# Altium PCB ir-24v-shit5-7.PcbDoc (part 5 of 6)
Units mm, origin at the board's own origin, x right, y up, seen from the top; angles counter-clockwise.
Board outline 326.8 x 258 mm, 2 copper layers (Top Layer, Bottom Layer); 1190 components, 31 nets, 3220 pads, 0 vias.
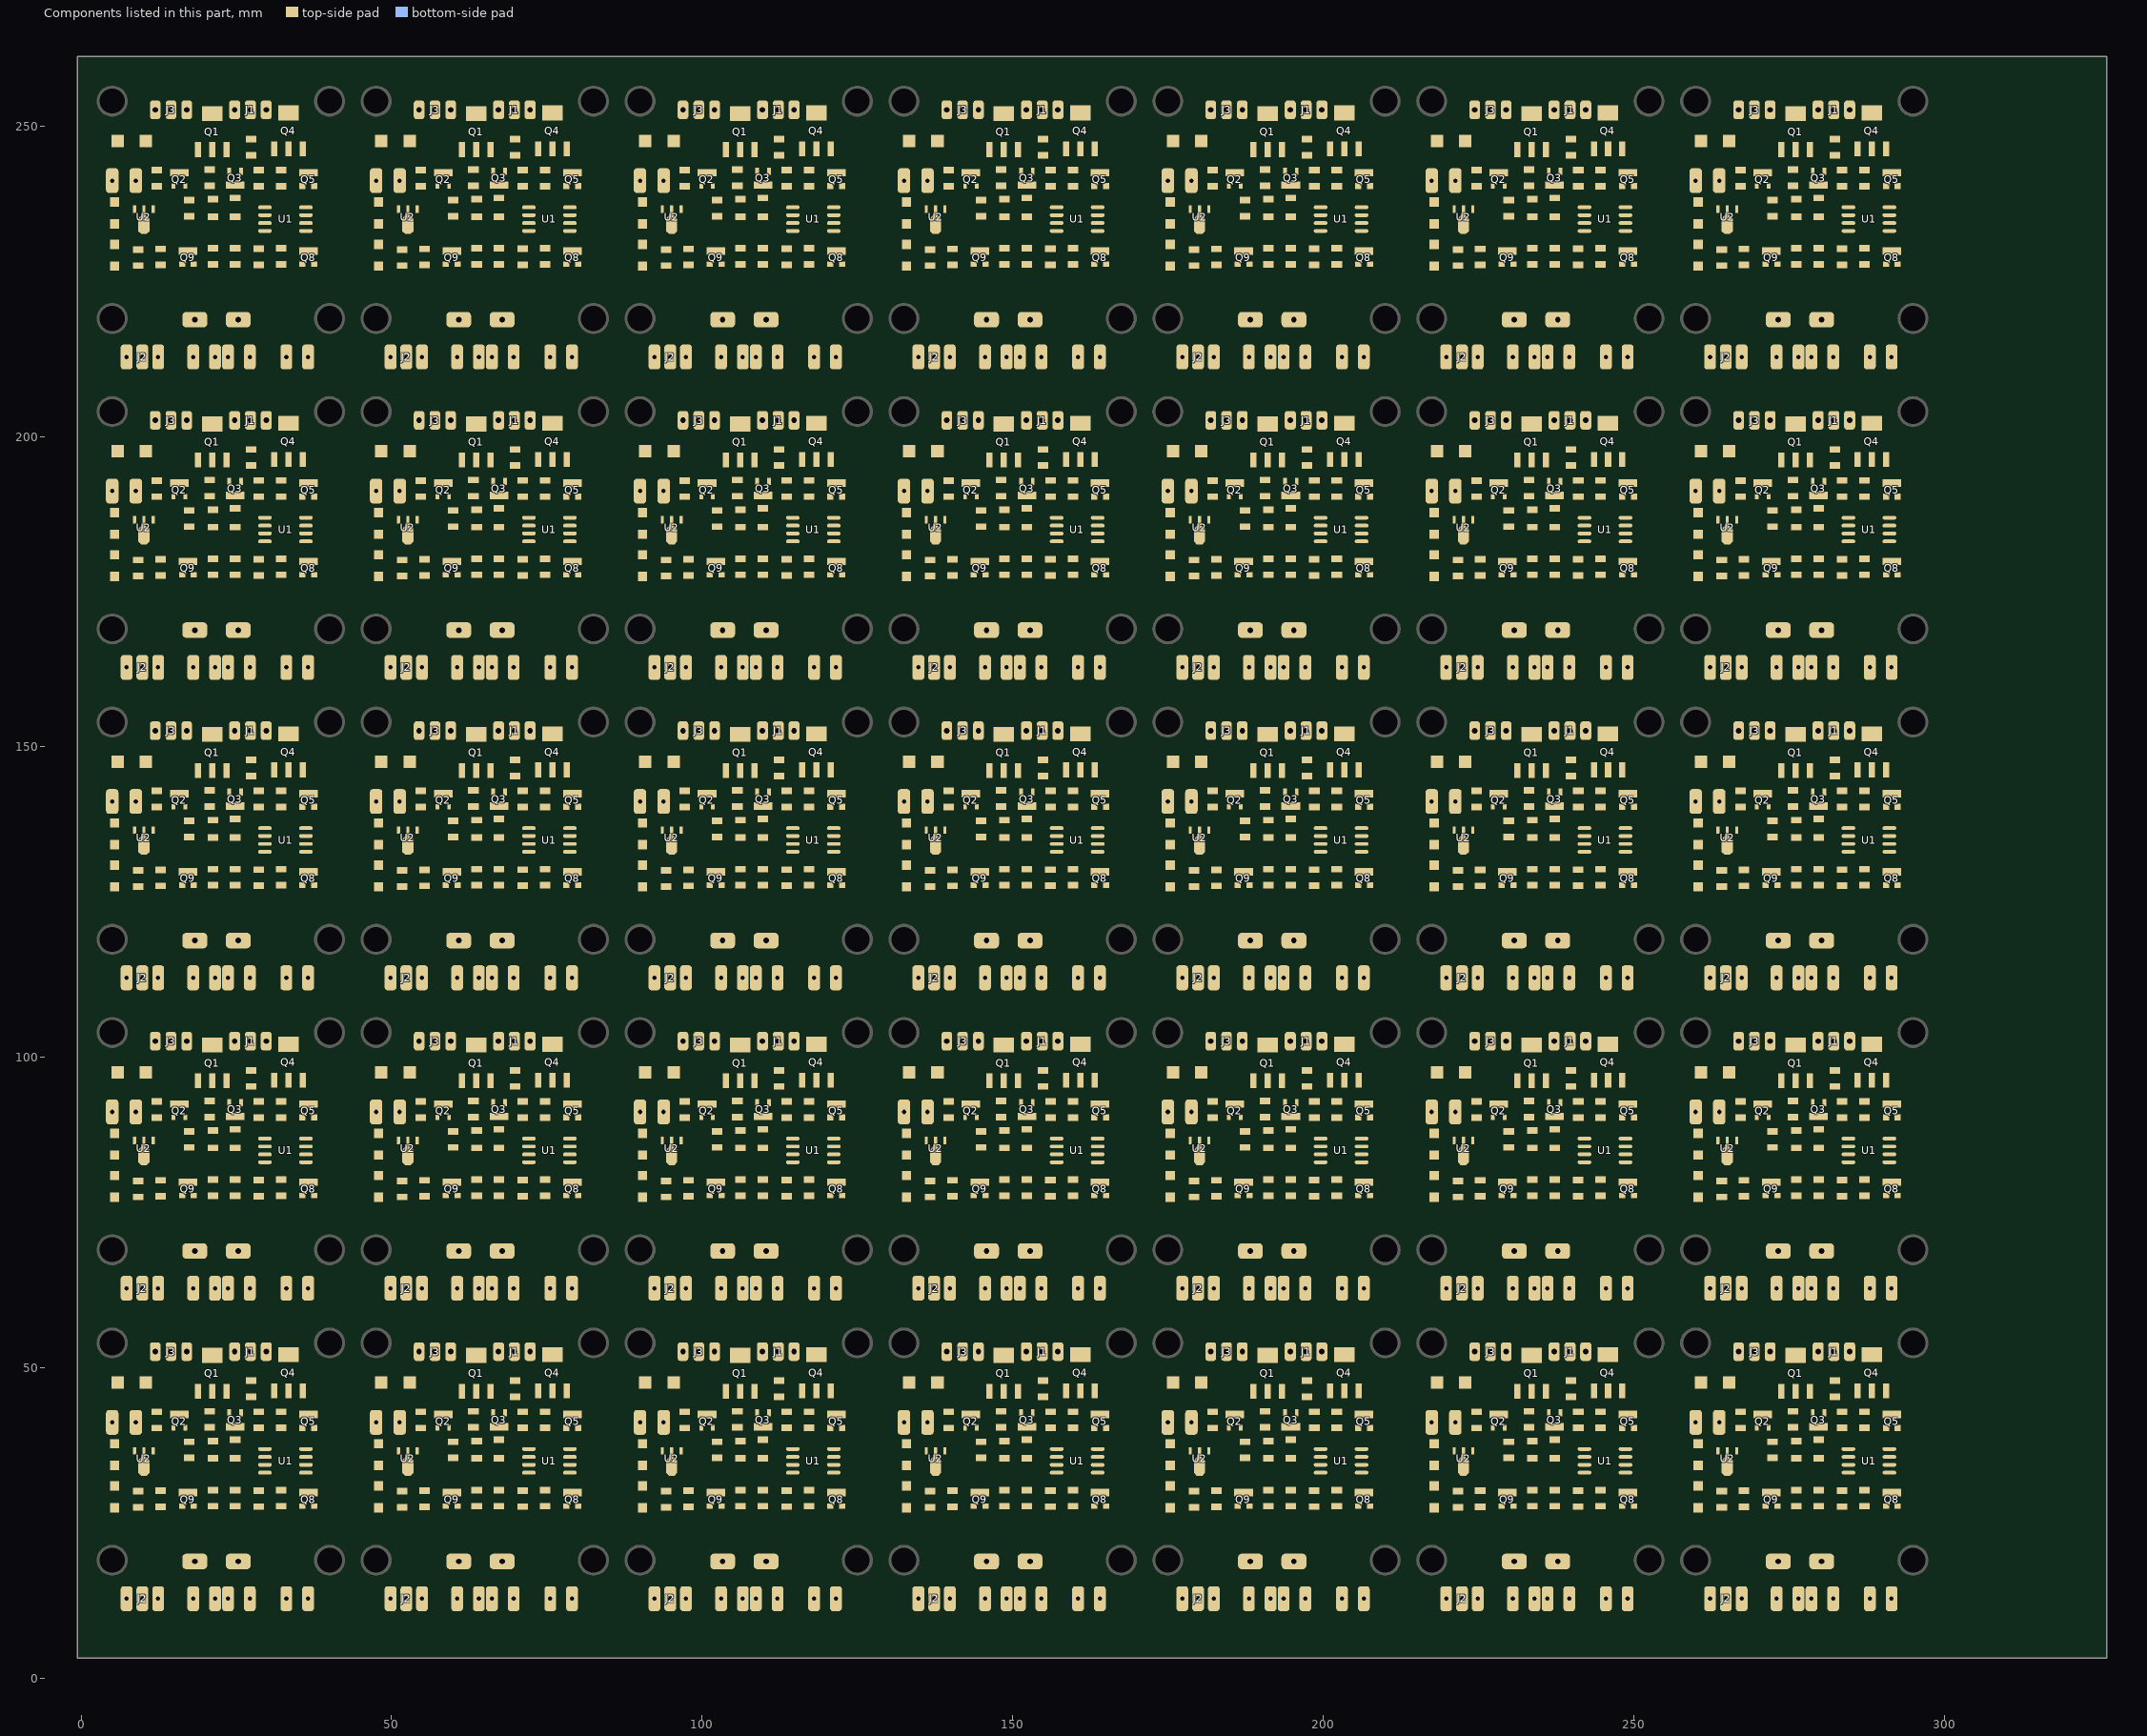
[diagram p5: the components of this part, seen from the top]

## Nets (pads, with @x,y where several pads share a name; then routed paths per layer and width w, separated by ;. In a path a pad name is that pad's centre, name@x,y a point inside that pad or via, vN(x,y) a via of type N, cw(c..) or ccw(c..) an arc to the next point about the centre after c; other vN are vias at no path point) (continued)
copper on no net: (continued)
  Top Layer w0.8: 5,37.792 5,41.2 5.4,41.6 5.4,47.15 5.65,47.4 ; 5,87.792 5,91.2 5.4,91.6 5.4,97.15 5.65,97.4 ; 5,137.792 5,141.2 5.4,141.6 5.4,147.15 5.65,147.4 ; 5,187.792 5,191.2 5.4,191.6 5.4,197.15 5.65,197.4 ; 5,237.792 5,241.2 5.4,241.6 5.4,247.15 5.65,247.4 ; 8.8,41.2 9.338,40.662 9.338,39.262 10.2,38.4 ; 8.8,91.2 9.338,90.662 9.338,89.262 10.2,88.4 ; 8.8,141.2 9.338,140.662 9.338,139.262 10.2,138.4 ; 8.8,191.2 9.338,190.662 9.338,189.262 10.2,188.4 ; 8.8,241.2 9.338,240.662 9.338,239.262 10.2,238.4 ; 9.2,41.2 9.365,41.365 9.365,42.765 10.35,43.75 10.35,43.752 10.819,44.22 10.82,44.22 14.4,47.8 14.4,52.007 ; 9.2,91.2 9.365,91.365 9.365,92.765 10.35,93.75 10.35,93.752 10.819,94.22 10.82,94.22 14.4,97.8 14.4,102.007 ; 9.2,141.2 9.365,141.365 9.365,142.765 10.35,143.75 10.35,143.752 10.819,144.22 10.82,144.22 14.4,147.8 14.4,152.007 ; 9.2,191.2 9.365,191.365 9.365,192.765 10.35,193.75 10.35,193.752 10.819,194.22 10.82,194.22 14.4,197.8 14.4,202.007 ; 9.2,241.2 9.365,241.365 9.365,242.765 10.35,243.75 10.35,243.752 10.819,244.22 10.82,244.22 14.4,247.8 14.4,252.007 ; 9.86,12 9.86,9.469 10.329,9 15.2,9 ; 9.86,62 9.86,59.469 10.329,59 15.2,59 ; 9.86,112 9.86,109.469 10.329,109 15.2,109 ; 9.86,162 9.86,159.469 10.329,159 15.2,159 ; 9.86,212 9.86,209.469 10.329,209 15.2,209 ; 10.1,34.8 10.1,36.4 10.1,38.257 16.888,38.257 ; 10.1,84.8 10.1,86.4 10.1,88.257 16.888,88.257 ; 10.1,134.8 10.1,136.4 10.1,138.257 16.888,138.257 ; 10.1,184.8 10.1,186.4 10.1,188.257 16.888,188.257 ; 10.1,234.8 10.1,236.4 10.1,238.257 16.888,238.257 ; 10.2,47.4 10.2,48 11.8,49.6 11.8,52.598 ; 10.2,97.4 10.2,98 11.8,99.6 11.8,102.598 ; 10.2,147.4 10.2,148 11.8,149.6 11.8,152.598 ; 10.2,197.4 10.2,198 11.8,199.6 11.8,202.598 ; 10.2,247.4 10.2,248 11.8,249.6 11.8,252.598 ; 16.2,18.4 15.792,18.4 15.2,17.808 15.2,9 ; 16.2,68.4 15.792,68.4 15.2,67.808 15.2,59 ; 16.2,118.4 15.792,118.4 15.2,117.808 15.2,109 ; 16.2,168.4 15.792,168.4 15.2,167.808 15.2,159 ; 16.2,218.4 15.792,218.4 15.2,217.808 15.2,209 ; 16.75,40.325 16.75,38.395 16.888,38.257 ; 16.75,90.325 16.75,88.395 16.888,88.257 ; 16.75,140.325 16.75,138.395 16.888,138.257 ; 16.75,190.325 16.75,188.395 16.888,188.257 ; 16.75,240.325 16.75,238.395 16.888,238.257 ; 19.8,38.07 17.4,38.07 17.075,38.07 16.888,38.257 ; 19.8,38.075 22.325,38.075 23.4,37 26.2,37 27.6,38.4 32.2,38.4 33.695,36.905 34.4,36.905 ; 19.8,88.07 17.4,88.07 17.075,88.07 16.888,88.257 ; 19.8,88.075 22.325,88.075 23.4,87 26.2,87 27.6,88.4 32.2,88.4 33.695,86.905 34.4,86.905 ; 19.8,138.07 17.4,138.07 17.075,138.07 16.888,138.257 ; 19.8,138.075 22.325,138.075 23.4,137 26.2,137 27.6,138.4 32.2,138.4 33.695,136.905 34.4,136.905 ; 19.8,188.07 17.4,188.07 17.075,188.07 16.888,188.257 ; 19.8,188.075 22.325,188.075 23.4,187 26.2,187 27.6,188.4 32.2,188.4 33.695,186.905 34.4,186.905 ; 19.8,238.07 17.4,238.07 17.075,238.07 16.888,238.257 ; 19.8,238.075 22.325,238.075 23.4,237 26.2,237 27.6,238.4 32.2,238.4 33.695,236.905 34.4,236.905 ; 19.95,52.55 24.57,52.55 24.72,52.4 ; 19.95,102.55 24.57,102.55 24.72,102.4 ; 19.95,152.55 24.57,152.55 24.72,152.4 ; 19.95,202.55 24.57,202.55 24.72,202.4 ; 19.95,252.55 24.57,252.55 24.72,252.4 ; 21.55,13.4 22.6,13.4 ; 21.55,63.4 22.6,63.4 ; 21.55,113.4 22.6,113.4 ; 21.55,163.4 22.6,163.4 ; 21.55,213.4 22.6,213.4 ; 23.65,13.4 22.6,13.4 ; 23.65,63.4 22.6,63.4 ; 23.65,113.4 22.6,113.4 ; 23.65,163.4 22.6,163.4 ; 23.65,213.4 22.6,213.4 ; 35.712,46.2 39.531,46.2 40,45.731 40,39.675 ; 35.712,96.2 39.531,96.2 40,95.731 40,89.675 ; 35.712,146.2 39.531,146.2 40,145.731 40,139.675 ; 35.712,196.2 39.531,196.2 40,195.731 40,189.675 ; 35.712,246.2 39.531,246.2 40,245.731 40,239.675 ; 35.8,36.905 34.4,36.905 ; 35.8,86.905 34.4,86.905 ; 35.8,136.905 34.4,136.905 ; 35.8,186.905 34.4,186.905 ; 35.8,236.905 34.4,236.905 ; 37.55,40.4 39.275,40.4 40,39.675 ; 37.55,90.4 39.275,90.4 40,89.675 ; 37.55,140.4 39.275,140.4 40,139.675 ; 37.55,190.4 39.275,190.4 40,189.675 ; 37.55,240.4 39.275,240.4 40,239.675 ; 47.5,37.792 47.5,41.2 47.9,41.6 47.9,47.15 48.15,47.4 ; 47.5,87.792 47.5,91.2 47.9,91.6 47.9,97.15 48.15,97.4 ; 47.5,137.792 47.5,141.2 47.9,141.6 47.9,147.15 48.15,147.4 ; 47.5,187.792 47.5,191.2 47.9,191.6 47.9,197.15 48.15,197.4 ; 47.5,237.792 47.5,241.2 47.9,241.6 47.9,247.15 48.15,247.4 ; 51.3,41.2 51.838,40.662 51.838,39.262 52.7,38.4 ; 51.3,91.2 51.838,90.662 51.838,89.262 52.7,88.4 ; 51.3,141.2 51.838,140.662 51.838,139.262 52.7,138.4 ; 51.3,191.2 51.838,190.662 51.838,189.262 52.7,188.4 ; 51.3,241.2 51.838,240.662 51.838,239.262 52.7,238.4 ; 51.7,41.2 51.865,41.365 51.865,42.765 52.85,43.75 52.85,43.752 53.319,44.22 53.32,44.22 56.9,47.8 56.9,52.007 ; 51.7,91.2 51.865,91.365 51.865,92.765 52.85,93.75 52.85,93.752 53.319,94.22 53.32,94.22 56.9,97.8 56.9,102.007 ; 51.7,141.2 51.865,141.365 51.865,142.765 52.85,143.75 52.85,143.752 53.319,144.22 53.32,144.22 56.9,147.8 56.9,152.007 ; 51.7,191.2 51.865,191.365 51.865,192.765 52.85,193.75 52.85,193.752 53.319,194.22 53.32,194.22 56.9,197.8 56.9,202.007 ; 51.7,241.2 51.865,241.365 51.865,242.765 52.85,243.75 52.85,243.752 53.319,244.22 53.32,244.22 56.9,247.8 56.9,252.007 ; 52.36,12 52.36,9.469 52.829,9 57.7,9 ; 52.36,62 52.36,59.469 52.829,59 57.7,59 ; 52.36,112 52.36,109.469 52.829,109 57.7,109 ; 52.36,162 52.36,159.469 52.829,159 57.7,159 ; 52.36,212 52.36,209.469 52.829,209 57.7,209 ; 52.6,34.8 52.6,36.4 52.6,38.257 59.388,38.257 ; 52.6,84.8 52.6,86.4 52.6,88.257 59.388,88.257 ; 52.6,134.8 52.6,136.4 52.6,138.257 59.388,138.257 ; 52.6,184.8 52.6,186.4 52.6,188.257 59.388,188.257 ; 52.6,234.8 52.6,236.4 52.6,238.257 59.388,238.257 ; 52.7,47.4 52.7,48 54.3,49.6 54.3,52.598 ; 52.7,97.4 52.7,98 54.3,99.6 54.3,102.598 ; 52.7,147.4 52.7,148 54.3,149.6 54.3,152.598 ; 52.7,197.4 52.7,198 54.3,199.6 54.3,202.598 ; 52.7,247.4 52.7,248 54.3,249.6 54.3,252.598 ; 58.7,18.4 58.292,18.4 57.7,17.808 57.7,9 ; 58.7,68.4 58.292,68.4 57.7,67.808 57.7,59 ; 58.7,118.4 58.292,118.4 57.7,117.808 57.7,109 ; 58.7,168.4 58.292,168.4 57.7,167.808 57.7,159 ; 58.7,218.4 58.292,218.4 57.7,217.808 57.7,209 ; 59.25,40.325 59.25,38.395 59.388,38.257 ; 59.25,90.325 59.25,88.395 59.388,88.257 ; 59.25,140.325 59.25,138.395 59.388,138.257 ; 59.25,190.325 59.25,188.395 59.388,188.257 ; 59.25,240.325 59.25,238.395 59.388,238.257 ; 62.3,38.07 59.9,38.07 59.575,38.07 59.388,38.257 ; 62.3,38.075 64.825,38.075 65.9,37 68.7,37 70.1,38.4 74.7,38.4 76.195,36.905 76.9,36.905 ; 62.3,88.07 59.9,88.07 59.575,88.07 59.388,88.257 ; 62.3,88.075 64.825,88.075 65.9,87 68.7,87 70.1,88.4 74.7,88.4 76.195,86.905 76.9,86.905 ; 62.3,138.07 59.9,138.07 59.575,138.07 59.388,138.257 ; 62.3,138.075 64.825,138.075 65.9,137 68.7,137 70.1,138.4 74.7,138.4 76.195,136.905 76.9,136.905 ; 62.3,188.07 59.9,188.07 59.575,188.07 59.388,188.257 ; 62.3,188.075 64.825,188.075 65.9,187 68.7,187 70.1,188.4 74.7,188.4 76.195,186.905 76.9,186.905 ; 62.3,238.07 59.9,238.07 59.575,238.07 59.388,238.257 ; 62.3,238.075 64.825,238.075 65.9,237 68.7,237 70.1,238.4 74.7,238.4 76.195,236.905 76.9,236.905 ; 62.45,52.55 67.07,52.55 67.22,52.4 ; 62.45,102.55 67.07,102.55 67.22,102.4 ; 62.45,152.55 67.07,152.55 67.22,152.4 ; 62.45,202.55 67.07,202.55 67.22,202.4 ; 62.45,252.55 67.07,252.55 67.22,252.4 ; 64.05,13.4 65.1,13.4 ; 64.05,63.4 65.1,63.4 ; 64.05,113.4 65.1,113.4 ; 64.05,163.4 65.1,163.4 ; 64.05,213.4 65.1,213.4 ; 66.15,13.4 65.1,13.4 ; 66.15,63.4 65.1,63.4 ; 66.15,113.4 65.1,113.4 ; 66.15,163.4 65.1,163.4 ; 66.15,213.4 65.1,213.4 ; 78.212,46.2 82.031,46.2 82.5,45.731 82.5,39.675 ; 78.212,96.2 82.031,96.2 82.5,95.731 82.5,89.675 ; 78.212,146.2 82.031,146.2 82.5,145.731 82.5,139.675 ; 78.212,196.2 82.031,196.2 82.5,195.731 82.5,189.675 ; 78.212,246.2 82.031,246.2 82.5,245.731 82.5,239.675 ; 78.3,36.905 76.9,36.905 ; 78.3,86.905 76.9,86.905 ; 78.3,136.905 76.9,136.905 ; 78.3,186.905 76.9,186.905 ; 78.3,236.905 76.9,236.905 ; 80.05,40.4 81.775,40.4 82.5,39.675 ; 80.05,90.4 81.775,90.4 82.5,89.675 ; 80.05,140.4 81.775,140.4 82.5,139.675 ; 80.05,190.4 81.775,190.4 82.5,189.675 ; 80.05,240.4 81.775,240.4 82.5,239.675 ; 90,37.792 90,41.2 90.4,41.6 90.4,47.15 90.65,47.4 ; 90,87.792 90,91.2 90.4,91.6 90.4,97.15 90.65,97.4 ; 90,137.792 90,141.2 90.4,141.6 90.4,147.15 90.65,147.4 ; 90,187.792 90,191.2 90.4,191.6 90.4,197.15 90.65,197.4 ; 90,237.792 90,241.2 90.4,241.6 90.4,247.15 90.65,247.4 ; 93.8,41.2 94.338,40.662 94.338,39.262 95.2,38.4 ; 93.8,91.2 94.338,90.662 94.338,89.262 95.2,88.4 ; 93.8,141.2 94.338,140.662 94.338,139.262 95.2,138.4 ; 93.8,191.2 94.338,190.662 94.338,189.262 95.2,188.4 ; 93.8,241.2 94.338,240.662 94.338,239.262 95.2,238.4 ; 94.2,41.2 94.365,41.365 94.365,42.765 95.35,43.75 95.35,43.752 95.819,44.22 95.82,44.22 99.4,47.8 99.4,52.007 ; 94.2,91.2 94.365,91.365 94.365,92.765 95.35,93.75 95.35,93.752 95.819,94.22 95.82,94.22 99.4,97.8 99.4,102.007 ; 94.2,141.2 94.365,141.365 94.365,142.765 95.35,143.75 95.35,143.752 95.819,144.22 95.82,144.22 99.4,147.8 99.4,152.007 ; 94.2,191.2 94.365,191.365 94.365,192.765 95.35,193.75 95.35,193.752 95.819,194.22 95.82,194.22 99.4,197.8 99.4,202.007 ; 94.2,241.2 94.365,241.365 94.365,242.765 95.35,243.75 95.35,243.752 95.819,244.22 95.82,244.22 99.4,247.8 99.4,252.007 ; 94.86,12 94.86,9.469 95.329,9 100.2,9 ; 94.86,62 94.86,59.469 95.329,59 100.2,59 ; 94.86,112 94.86,109.469 95.329,109 100.2,109 ; 94.86,162 94.86,159.469 95.329,159 100.2,159 ; 94.86,212 94.86,209.469 95.329,209 100.2,209 ; 95.1,34.8 95.1,36.4 95.1,38.257 101.888,38.257 ; 95.1,84.8 95.1,86.4 95.1,88.257 101.888,88.257 ; 95.1,134.8 95.1,136.4 95.1,138.257 101.888,138.257 ; 95.1,184.8 95.1,186.4 95.1,188.257 101.888,188.257 ; 95.1,234.8 95.1,236.4 95.1,238.257 101.888,238.257 ; 95.2,47.4 95.2,48 96.8,49.6 96.8,52.598 ; 95.2,97.4 95.2,98 96.8,99.6 96.8,102.598 ; 95.2,147.4 95.2,148 96.8,149.6 96.8,152.598 ; 95.2,197.4 95.2,198 96.8,199.6 96.8,202.598 ; 95.2,247.4 95.2,248 96.8,249.6 96.8,252.598 ; 101.2,18.4 100.792,18.4 100.2,17.808 100.2,9 ; 101.2,68.4 100.792,68.4 100.2,67.808 100.2,59 ; 101.2,118.4 100.792,118.4 100.2,117.808 100.2,109 ; 101.2,168.4 100.792,168.4 100.2,167.808 100.2,159 ; 101.2,218.4 100.792,218.4 100.2,217.808 100.2,209 ; 101.75,40.325 101.75,38.395 101.888,38.257 ; 101.75,90.325 101.75,88.395 101.888,88.257 ; 101.75,140.325 101.75,138.395 101.888,138.257 ; 101.75,190.325 101.75,188.395 101.888,188.257 ; 101.75,240.325 101.75,238.395 101.888,238.257 ; 104.8,38.07 102.4,38.07 102.075,38.07 101.888,38.257 ; 104.8,38.075 107.325,38.075 108.4,37 111.2,37 112.6,38.4 117.2,38.4 118.695,36.905 119.4,36.905 ; 104.8,88.07 102.4,88.07 102.075,88.07 101.888,88.257 ; 104.8,88.075 107.325,88.075 108.4,87 111.2,87 112.6,88.4 117.2,88.4 118.695,86.905 119.4,86.905 ; 104.8,138.07 102.4,138.07 102.075,138.07 101.888,138.257 ; 104.8,138.075 107.325,138.075 108.4,137 111.2,137 112.6,138.4 117.2,138.4 118.695,136.905 119.4,136.905 ; 104.8,188.07 102.4,188.07 102.075,188.07 101.888,188.257 ; 104.8,188.075 107.325,188.075 108.4,187 111.2,187 112.6,188.4 117.2,188.4 118.695,186.905 119.4,186.905 ; 104.8,238.07 102.4,238.07 102.075,238.07 101.888,238.257 ; 104.8,238.075 107.325,238.075 108.4,237 111.2,237 112.6,238.4 117.2,238.4 118.695,236.905 119.4,236.905 ; 104.95,52.55 109.57,52.55 109.72,52.4 ; 104.95,102.55 109.57,102.55 109.72,102.4 ; 104.95,152.55 109.57,152.55 109.72,152.4 ; 104.95,202.55 109.57,202.55 109.72,202.4 ; 104.95,252.55 109.57,252.55 109.72,252.4 ; 106.55,13.4 107.6,13.4 ; 106.55,63.4 107.6,63.4 ; 106.55,113.4 107.6,113.4 ; 106.55,163.4 107.6,163.4 ; 106.55,213.4 107.6,213.4 ; 108.65,13.4 107.6,13.4 ; 108.65,63.4 107.6,63.4 ; 108.65,113.4 107.6,113.4 ; 108.65,163.4 107.6,163.4 ; 108.65,213.4 107.6,213.4 ; 120.712,46.2 124.531,46.2 125,45.731 125,39.675 ; 120.712,96.2 124.531,96.2 125,95.731 125,89.675 ; 120.712,146.2 124.531,146.2 125,145.731 125,139.675 ; 120.712,196.2 124.531,196.2 125,195.731 125,189.675 ; 120.712,246.2 124.531,246.2 125,245.731 125,239.675 ; 120.8,36.905 119.4,36.905 ; 120.8,86.905 119.4,86.905 ; 120.8,136.905 119.4,136.905 ; 120.8,186.905 119.4,186.905 ; 120.8,236.905 119.4,236.905 ; 122.55,40.4 124.275,40.4 125,39.675 ; 122.55,90.4 124.275,90.4 125,89.675 ; 122.55,140.4 124.275,140.4 125,139.675 ; 122.55,190.4 124.275,190.4 125,189.675 ; 122.55,240.4 124.275,240.4 125,239.675 ; 132.5,37.792 132.5,41.2 132.9,41.6 132.9,47.15 133.15,47.4 ; 132.5,87.792 132.5,91.2 132.9,91.6 132.9,97.15 133.15,97.4 ; 132.5,137.792 132.5,141.2 132.9,141.6 132.9,147.15 133.15,147.4 ; 132.5,187.792 132.5,191.2 132.9,191.6 132.9,197.15 133.15,197.4 ; 132.5,237.792 132.5,241.2 132.9,241.6 132.9,247.15 133.15,247.4 ; 136.3,41.2 136.838,40.662 136.838,39.262 137.7,38.4 ; 136.3,91.2 136.838,90.662 136.838,89.262 137.7,88.4 ; 136.3,141.2 136.838,140.662 136.838,139.262 137.7,138.4 ; 136.3,191.2 136.838,190.662 136.838,189.262 137.7,188.4 ; 136.3,241.2 136.838,240.662 136.838,239.262 137.7,238.4 ; 136.7,41.2 136.865,41.365 136.865,42.765 137.85,43.75 137.85,43.752 138.319,44.22 138.32,44.22 141.9,47.8 141.9,52.007 ; 136.7,91.2 136.865,91.365 136.865,92.765 137.85,93.75 137.85,93.752 138.319,94.22 138.32,94.22 141.9,97.8 141.9,102.007 ; 136.7,141.2 136.865,141.365 136.865,142.765 137.85,143.75 137.85,143.752 138.319,144.22 138.32,144.22 141.9,147.8 141.9,152.007 ; 136.7,191.2 136.865,191.365 136.865,192.765 137.85,193.75 137.85,193.752 138.319,194.22 138.32,194.22 141.9,197.8 141.9,202.007 ; 136.7,241.2 136.865,241.365 136.865,242.765 137.85,243.75 137.85,243.752 138.319,244.22 138.32,244.22 141.9,247.8 141.9,252.007 ; 137.36,12 137.36,9.469 137.829,9 142.7,9 ; 137.36,62 137.36,59.469 137.829,59 142.7,59 ; 137.36,112 137.36,109.469 137.829,109 142.7,109 ; 137.36,162 137.36,159.469 137.829,159 142.7,159 ; 137.36,212 137.36,209.469 137.829,209 142.7,209 ; 137.6,34.8 137.6,36.4 137.6,38.257 144.388,38.257 ; 137.6,84.8 137.6,86.4 137.6,88.257 144.388,88.257 ; 137.6,134.8 137.6,136.4 137.6,138.257 144.388,138.257 ; 137.6,184.8 137.6,186.4 137.6,188.257 144.388,188.257 ; 137.6,234.8 137.6,236.4 137.6,238.257 144.388,238.257 ; 137.7,47.4 137.7,48 139.3,49.6 139.3,52.598 ; 137.7,97.4 137.7,98 139.3,99.6 139.3,102.598 ; 137.7,147.4 137.7,148 139.3,149.6 139.3,152.598 ; 137.7,197.4 137.7,198 139.3,199.6 139.3,202.598 ; 137.7,247.4 137.7,248 139.3,249.6 139.3,252.598 ; 143.7,18.4 143.292,18.4 142.7,17.808 142.7,9 ; 143.7,68.4 143.292,68.4 142.7,67.808 142.7,59 ; 143.7,118.4 143.292,118.4 142.7,117.808 142.7,109 ; 143.7,168.4 143.292,168.4 142.7,167.808 142.7,159 ; 143.7,218.4 143.292,218.4 142.7,217.808 142.7,209 ; 144.25,40.325 144.25,38.395 144.388,38.257 ; 144.25,90.325 144.25,88.395 144.388,88.257 ; 144.25,140.325 144.25,138.395 144.388,138.257 ; 144.25,190.325 144.25,188.395 144.388,188.257 ; 144.25,240.325 144.25,238.395 144.388,238.257 ; 147.3,38.07 144.9,38.07 144.575,38.07 144.388,38.257 ; 147.3,38.075 149.825,38.075 150.9,37 153.7,37 155.1,38.4 159.7,38.4 161.195,36.905 161.9,36.905 ; 147.3,88.07 144.9,88.07 144.575,88.07 144.388,88.257 ; 147.3,88.075 149.825,88.075 150.9,87 153.7,87 155.1,88.4 159.7,88.4 161.195,86.905 161.9,86.905 ; 147.3,138.07 144.9,138.07 144.575,138.07 144.388,138.257 ; 147.3,138.075 149.825,138.075 150.9,137 153.7,137 155.1,138.4 159.7,138.4 161.195,136.905 161.9,136.905 ; 147.3,188.07 144.9,188.07 144.575,188.07 144.388,188.257 ; 147.3,188.075 149.825,188.075 150.9,187 153.7,187 155.1,188.4 159.7,188.4 161.195,186.905 161.9,186.905 ; 147.3,238.07 144.9,238.07 144.575,238.07 144.388,238.257 ; 147.3,238.075 149.825,238.075 150.9,237 153.7,237 155.1,238.4 159.7,238.4 161.195,236.905 161.9,236.905 ; 147.45,52.55 152.07,52.55 152.22,52.4 ; 147.45,102.55 152.07,102.55 152.22,102.4 ; 147.45,152.55 152.07,152.55 152.22,152.4 ; 147.45,202.55 152.07,202.55 152.22,202.4 ; 147.45,252.55 152.07,252.55 152.22,252.4 ; 149.05,13.4 150.1,13.4 ; 149.05,63.4 150.1,63.4 ; 149.05,113.4 150.1,113.4 ; 149.05,163.4 150.1,163.4 ; 149.05,213.4 150.1,213.4 ; 151.15,13.4 150.1,13.4 ; 151.15,63.4 150.1,63.4 ; 151.15,113.4 150.1,113.4 ; 151.15,163.4 150.1,163.4 ; 151.15,213.4 150.1,213.4 ; 163.212,46.2 167.031,46.2 167.5,45.731 167.5,39.675 ; 163.212,96.2 167.031,96.2 167.5,95.731 167.5,89.675 ; 163.212,146.2 167.031,146.2 167.5,145.731 167.5,139.675 ; 163.212,196.2 167.031,196.2 167.5,195.731 167.5,189.675 ; 163.212,246.2 167.031,246.2 167.5,245.731 167.5,239.675 ; 163.3,36.905 161.9,36.905 ; 163.3,86.905 161.9,86.905 ; 163.3,136.905 161.9,136.905 ; 163.3,186.905 161.9,186.905 ; 163.3,236.905 161.9,236.905 ; 165.05,40.4 166.775,40.4 167.5,39.675 ; 165.05,90.4 166.775,90.4 167.5,89.675 ; 165.05,140.4 166.775,140.4 167.5,139.675 ; 165.05,190.4 166.775,190.4 167.5,189.675 ; 165.05,240.4 166.775,240.4 167.5,239.675 ; 175,37.792 175,41.2 175.4,41.6 175.4,47.15 175.65,47.4 ; 175,87.792 175,91.2 175.4,91.6 175.4,97.15 175.65,97.4 ; 175,137.792 175,141.2 175.4,141.6 175.4,147.15 175.65,147.4 ; 175,187.792 175,191.2 175.4,191.6 175.4,197.15 175.65,197.4 ; 175,237.792 175,241.2 175.4,241.6 175.4,247.15 175.65,247.4 ; 178.8,41.2 179.338,40.662 179.338,39.262 180.2,38.4 ; 178.8,91.2 179.338,90.662 179.338,89.262 180.2,88.4 ; 178.8,141.2 179.338,140.662 179.338,139.262 180.2,138.4 ; 178.8,191.2 179.338,190.662 179.338,189.262 180.2,188.4 ; 178.8,241.2 179.338,240.662 179.338,239.262 180.2,238.4 ; 179.2,41.2 179.365,41.365 179.365,42.765 180.35,43.75 180.35,43.752 180.819,44.22 180.82,44.22 184.4,47.8 184.4,52.007 ; 179.2,91.2 179.365,91.365 179.365,92.765 180.35,93.75 180.35,93.752 180.819,94.22 180.82,94.22 184.4,97.8 184.4,102.007 ; 179.2,141.2 179.365,141.365 179.365,142.765 180.35,143.75 180.35,143.752 180.819,144.22 180.82,144.22 184.4,147.8 184.4,152.007 ; 179.2,191.2 179.365,191.365 179.365,192.765 180.35,193.75 180.35,193.752 180.819,194.22 180.82,194.22 184.4,197.8 184.4,202.007 ; 179.2,241.2 179.365,241.365 179.365,242.765 180.35,243.75 180.35,243.752 180.819,244.22 180.82,244.22 184.4,247.8 184.4,252.007 ; 179.86,12 179.86,9.469 180.329,9 185.2,9 ; 179.86,62 179.86,59.469 180.329,59 185.2,59 ; 179.86,112 179.86,109.469 180.329,109 185.2,109 ; 179.86,162 179.86,159.469 180.329,159 185.2,159 ; 179.86,212 179.86,209.469 180.329,209 185.2,209 ; 180.1,34.8 180.1,36.4 180.1,38.257 186.888,38.257 ; 180.1,84.8 180.1,86.4 180.1,88.257 186.888,88.257 ; 180.1,134.8 180.1,136.4 180.1,138.257 186.888,138.257 ; 180.1,184.8 180.1,186.4 180.1,188.257 186.888,188.257 ; 180.1,234.8 180.1,236.4 180.1,238.257 186.888,238.257 ; 180.2,47.4 180.2,48 181.8,49.6 181.8,52.598 ; 180.2,97.4 180.2,98 181.8,99.6 181.8,102.598 ; 180.2,147.4 180.2,148 181.8,149.6 181.8,152.598 ; 180.2,197.4 180.2,198 181.8,199.6 181.8,202.598 ; 180.2,247.4 180.2,248 181.8,249.6 181.8,252.598 ; 186.2,18.4 185.792,18.4 185.2,17.808 185.2,9 ; 186.2,68.4 185.792,68.4 185.2,67.808 185.2,59 ; 186.2,118.4 185.792,118.4 185.2,117.808 185.2,109 ; 186.2,168.4 185.792,168.4 185.2,167.808 185.2,159 ; 186.2,218.4 185.792,218.4 185.2,217.808 185.2,209 ; 186.75,40.325 186.75,38.395 186.888,38.257 ; 186.75,90.325 186.75,88.395 186.888,88.257 ; 186.75,140.325 186.75,138.395 186.888,138.257 ; 186.75,190.325 186.75,188.395 186.888,188.257 ; 186.75,240.325 186.75,238.395 186.888,238.257 ; 189.8,38.07 187.4,38.07 187.075,38.07 186.888,38.257 ; 189.8,38.075 192.325,38.075 193.4,37 196.2,37 197.6,38.4 202.2,38.4 203.695,36.905 204.4,36.905 ; 189.8,88.07 187.4,88.07 187.075,88.07 186.888,88.257 ; 189.8,88.075 192.325,88.075 193.4,87 196.2,87 197.6,88.4 202.2,88.4 203.695,86.905 204.4,86.905 ; 189.8,138.07 187.4,138.07 187.075,138.07 186.888,138.257 ; 189.8,138.075 192.325,138.075 193.4,137 196.2,137 197.6,138.4 202.2,138.4 203.695,136.905 204.4,136.905 ; 189.8,188.07 187.4,188.07 187.075,188.07 186.888,188.257 ; 189.8,188.075 192.325,188.075 193.4,187 196.2,187 197.6,188.4 202.2,188.4 203.695,186.905 204.4,186.905 ; 189.8,238.07 187.4,238.07 187.075,238.07 186.888,238.257 ; 189.8,238.075 192.325,238.075 193.4,237 196.2,237 197.6,238.4 202.2,238.4 203.695,236.905 204.4,236.905 ; 189.95,52.55 194.57,52.55 194.72,52.4 ; 189.95,102.55 194.57,102.55 194.72,102.4 ; 189.95,152.55 194.57,152.55 194.72,152.4 ; 189.95,202.55 